# Altium PCB wtc_spi.PcbDoc (part 1 of 2)
Units mm, origin at the board's own origin, x right, y up, seen from the top; angles counter-clockwise.
Board outline 131 x 99 mm, 2 copper layers (Top Layer, Bottom Layer), stack 1.571 mm thick; 168 components, 105 nets, 503 pads, 537 vias.
Unrouted connection lines stored in the file: 1.
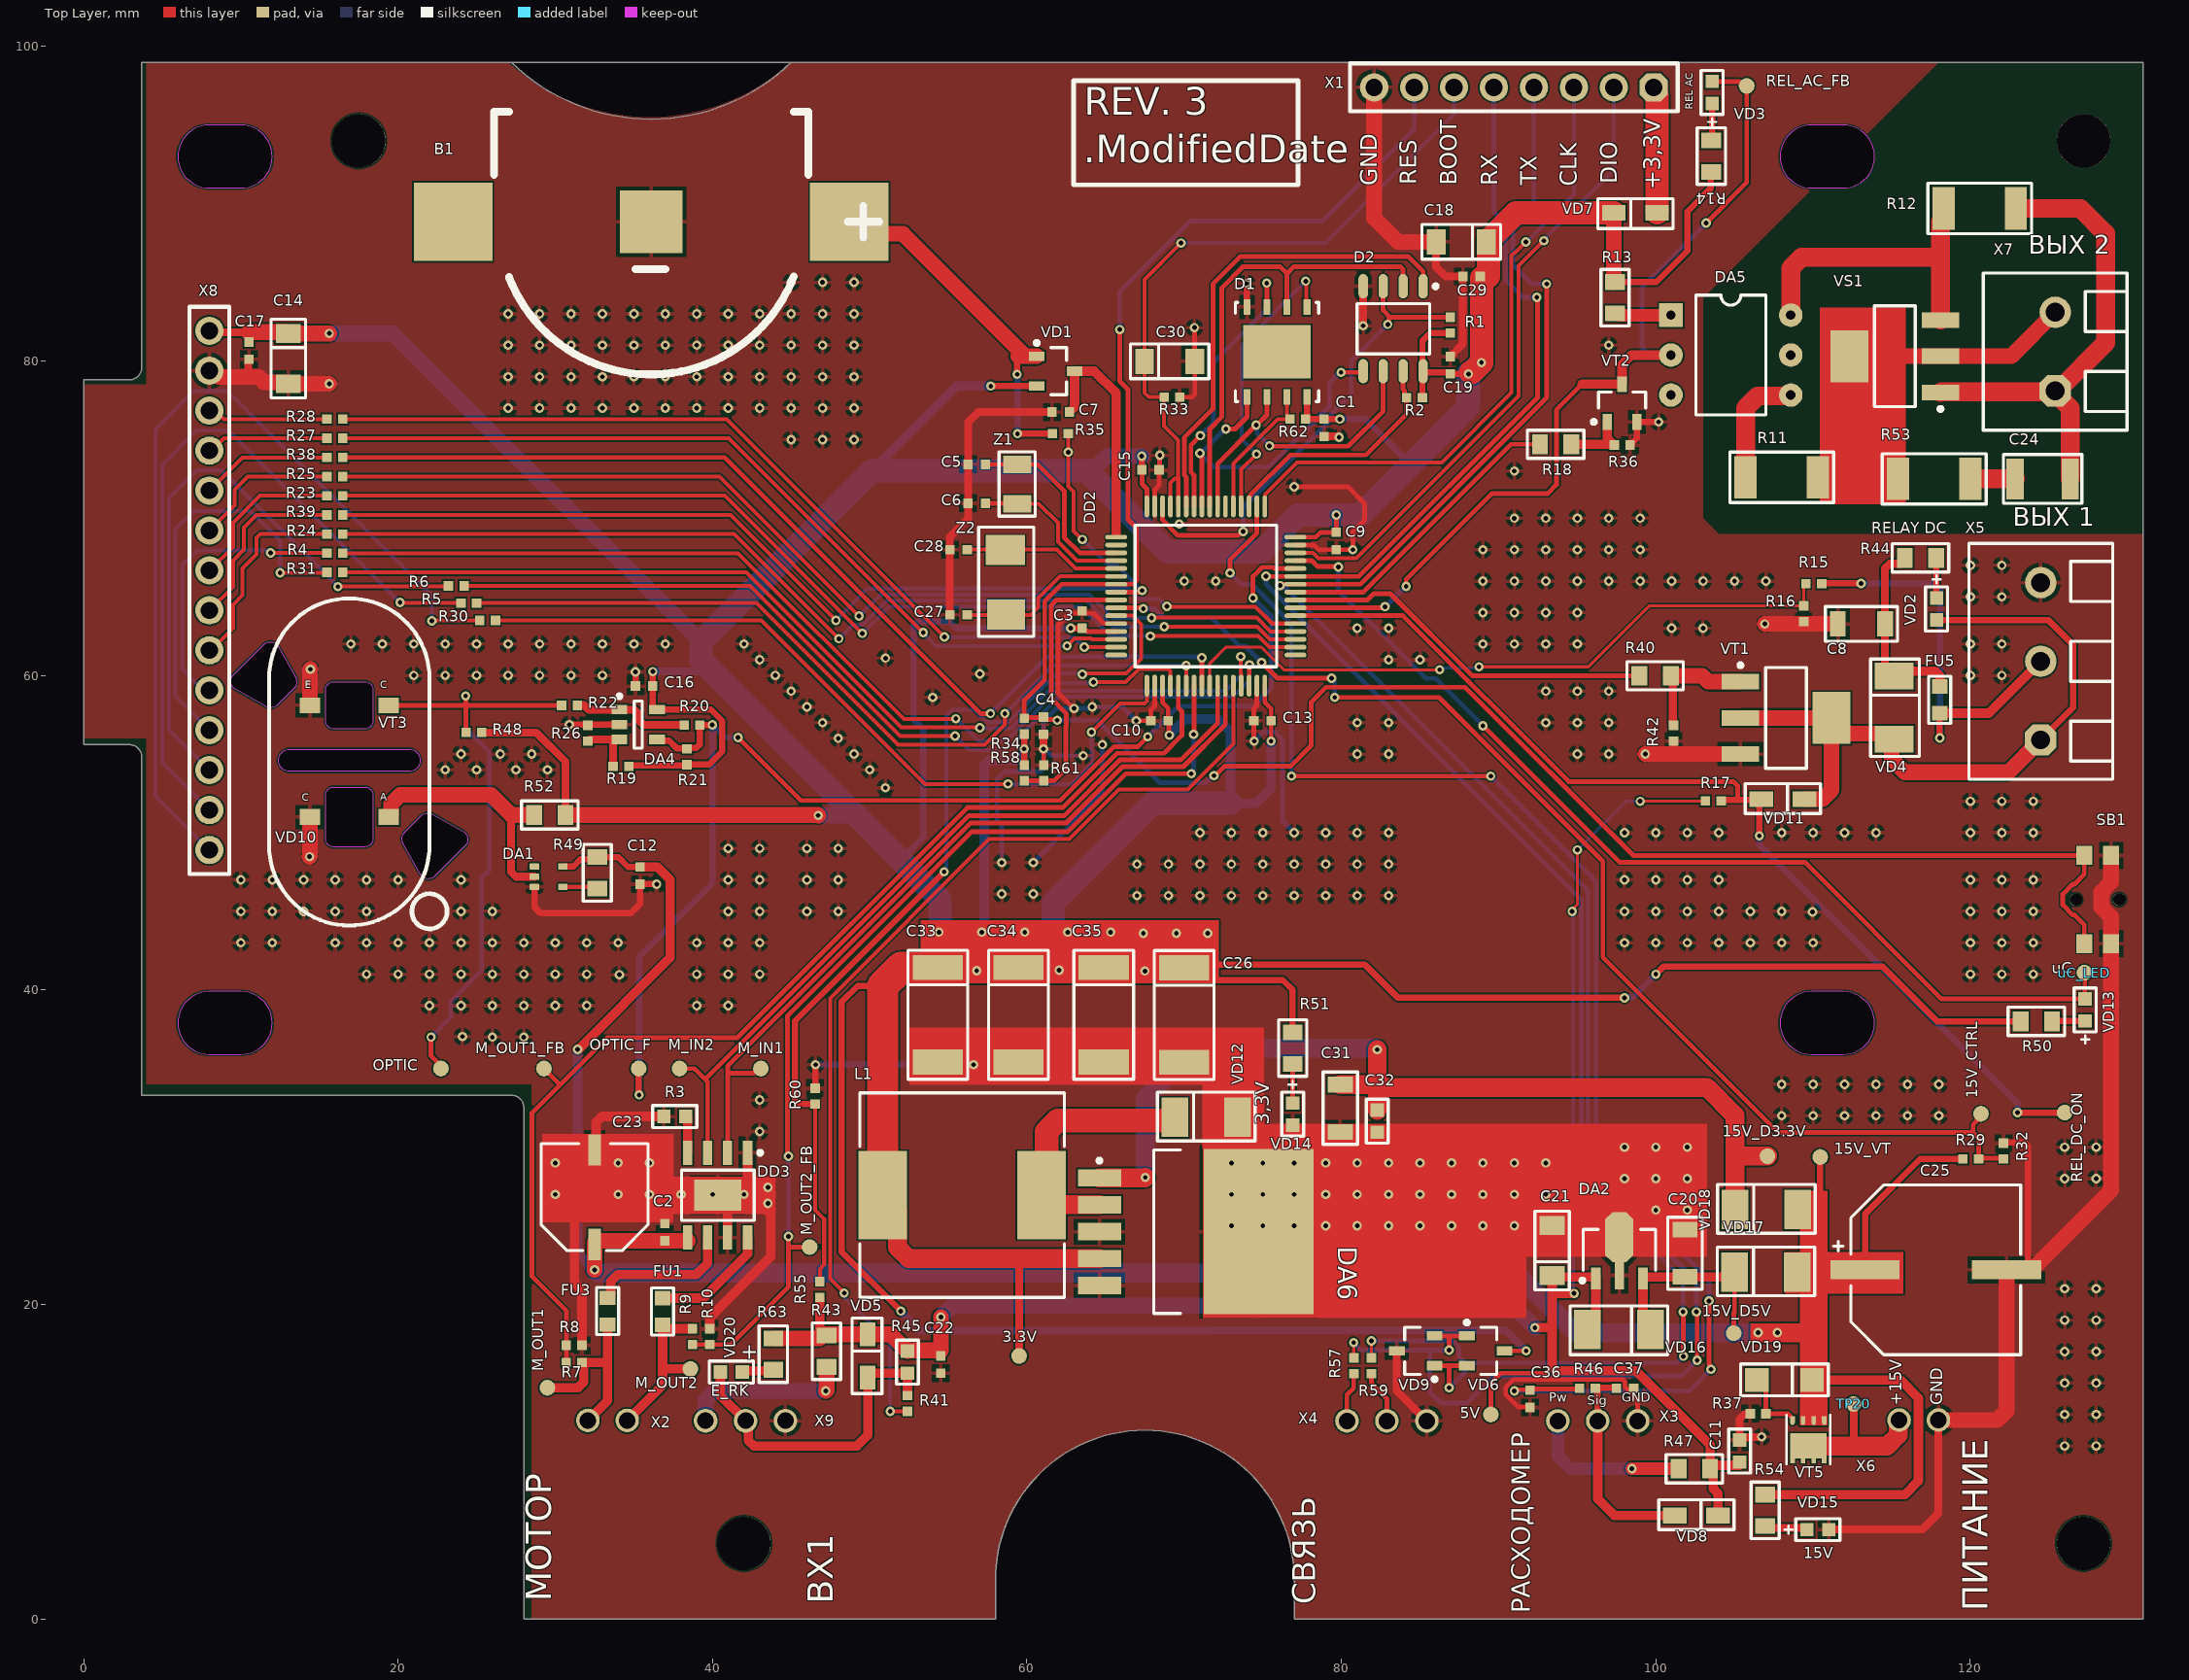
[diagram p0: Top Layer view]
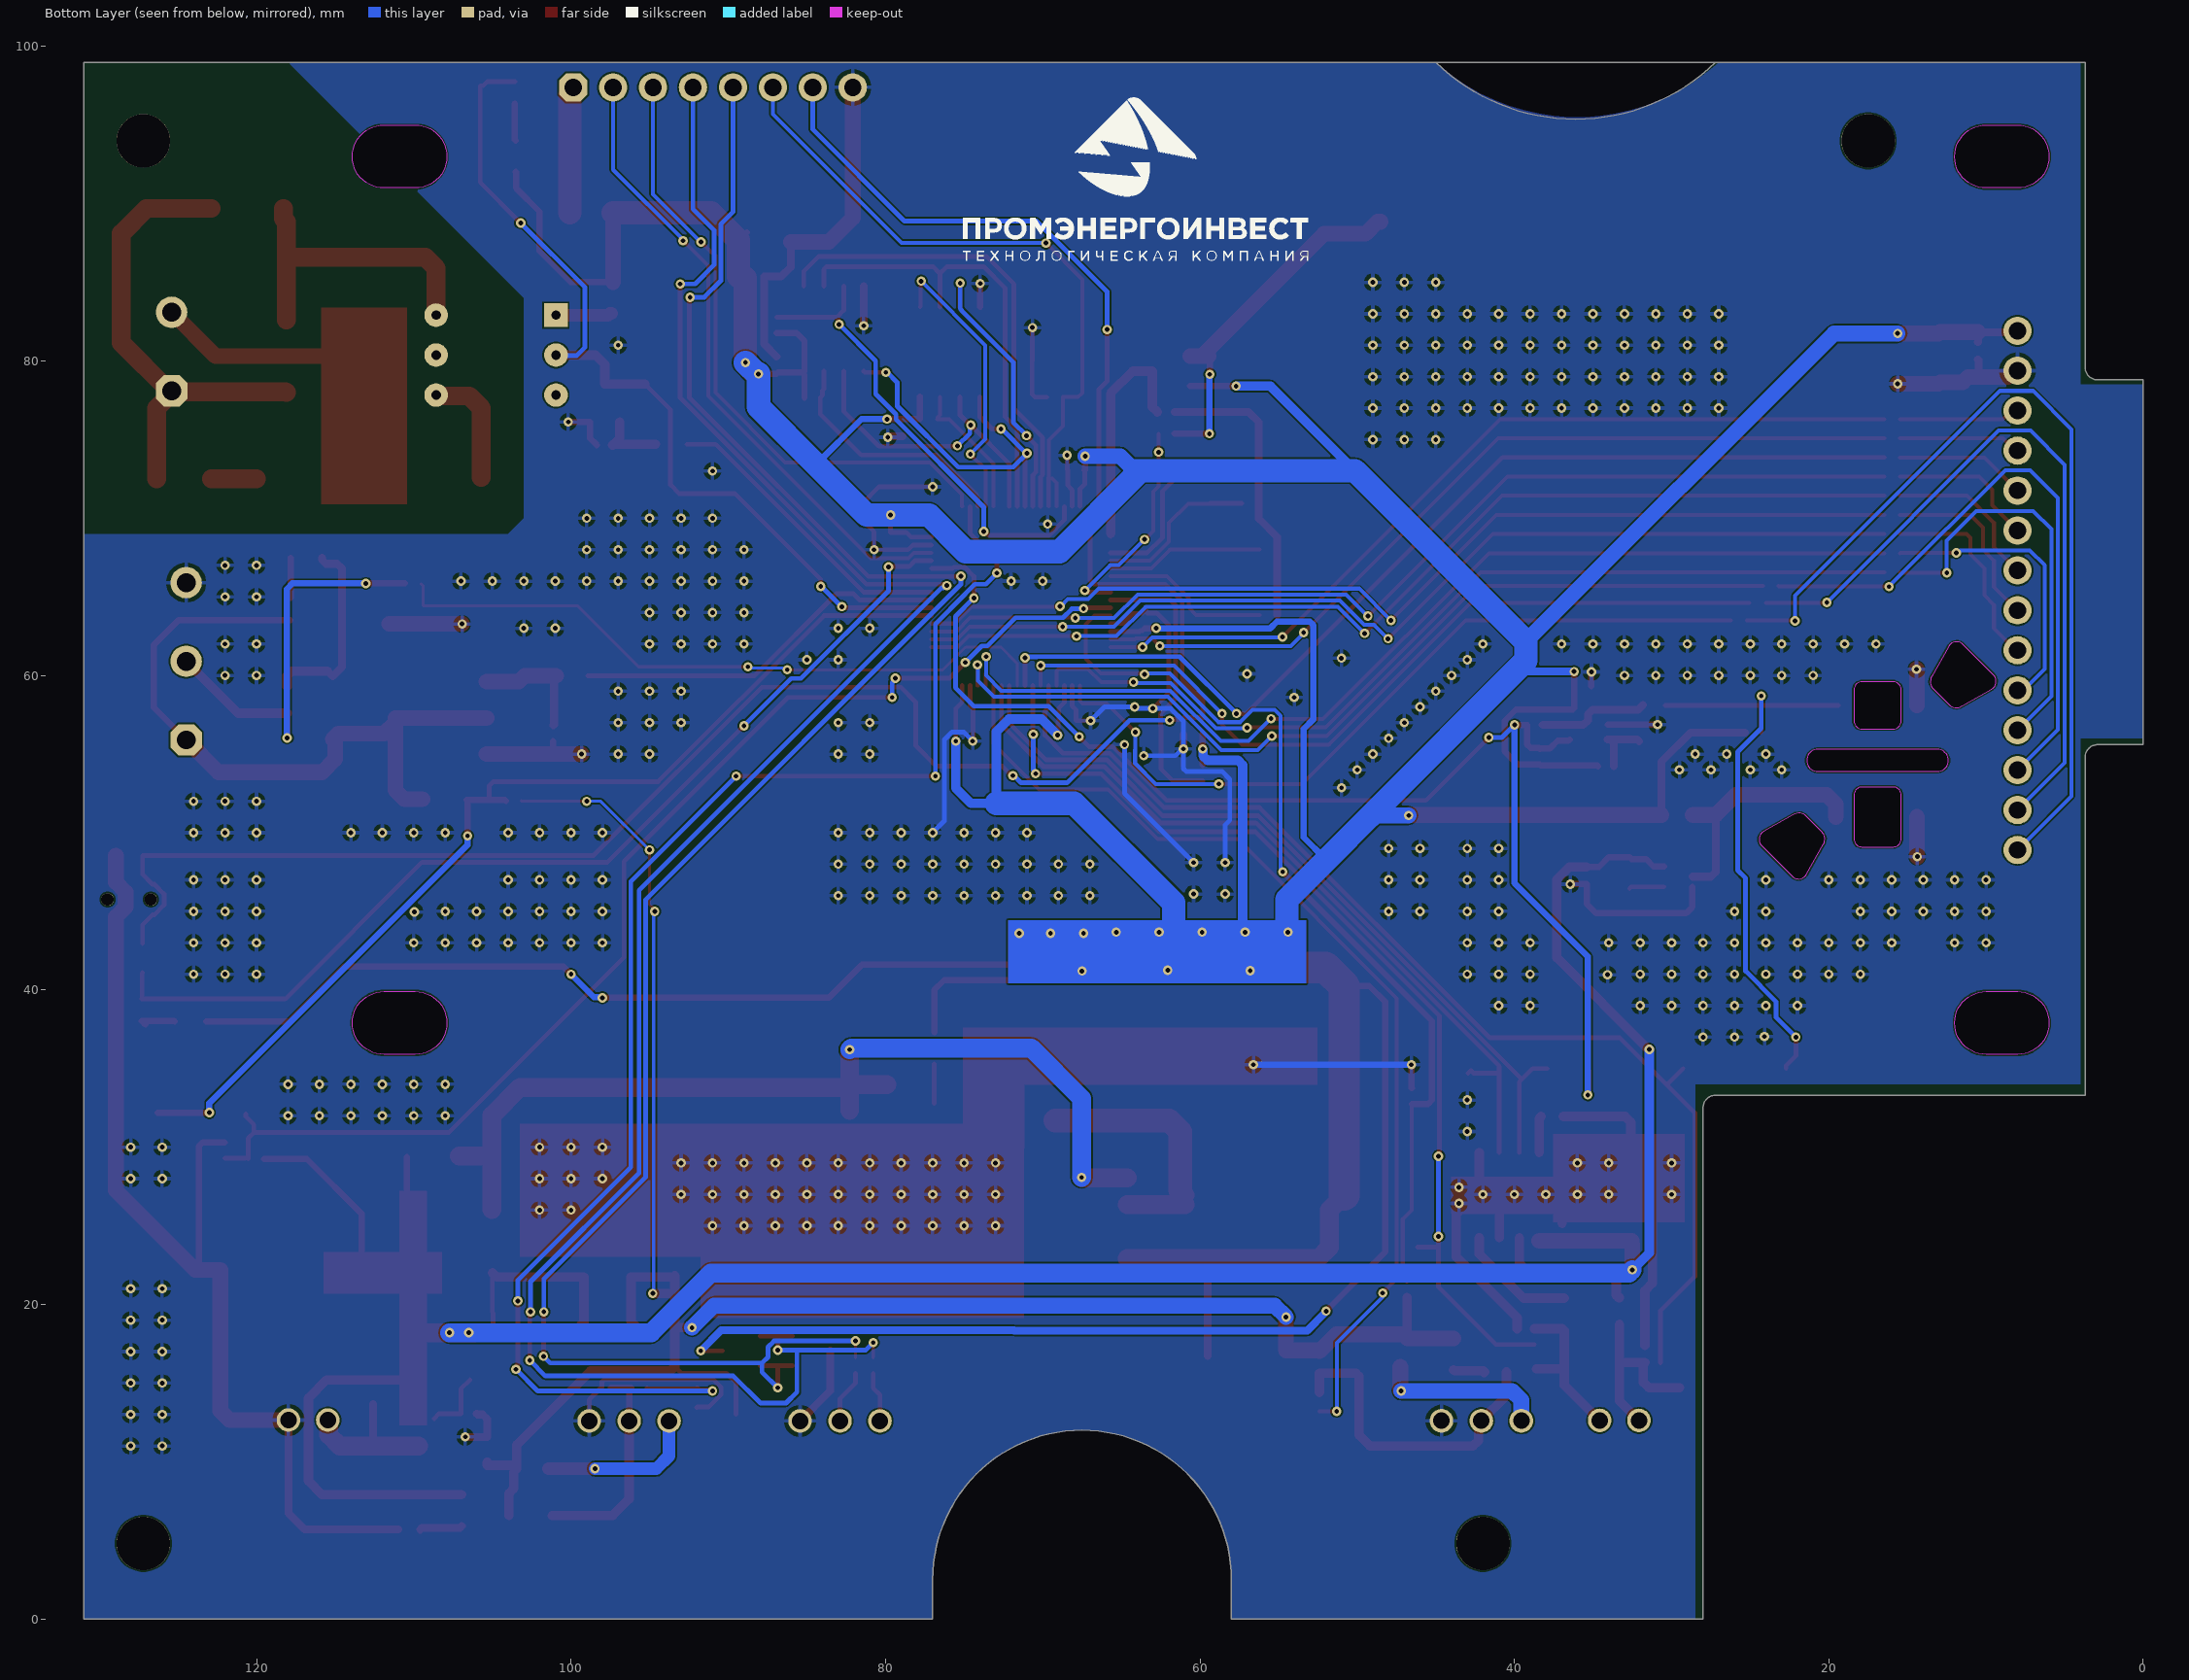
[diagram p1: Bottom Layer view, seen from below]
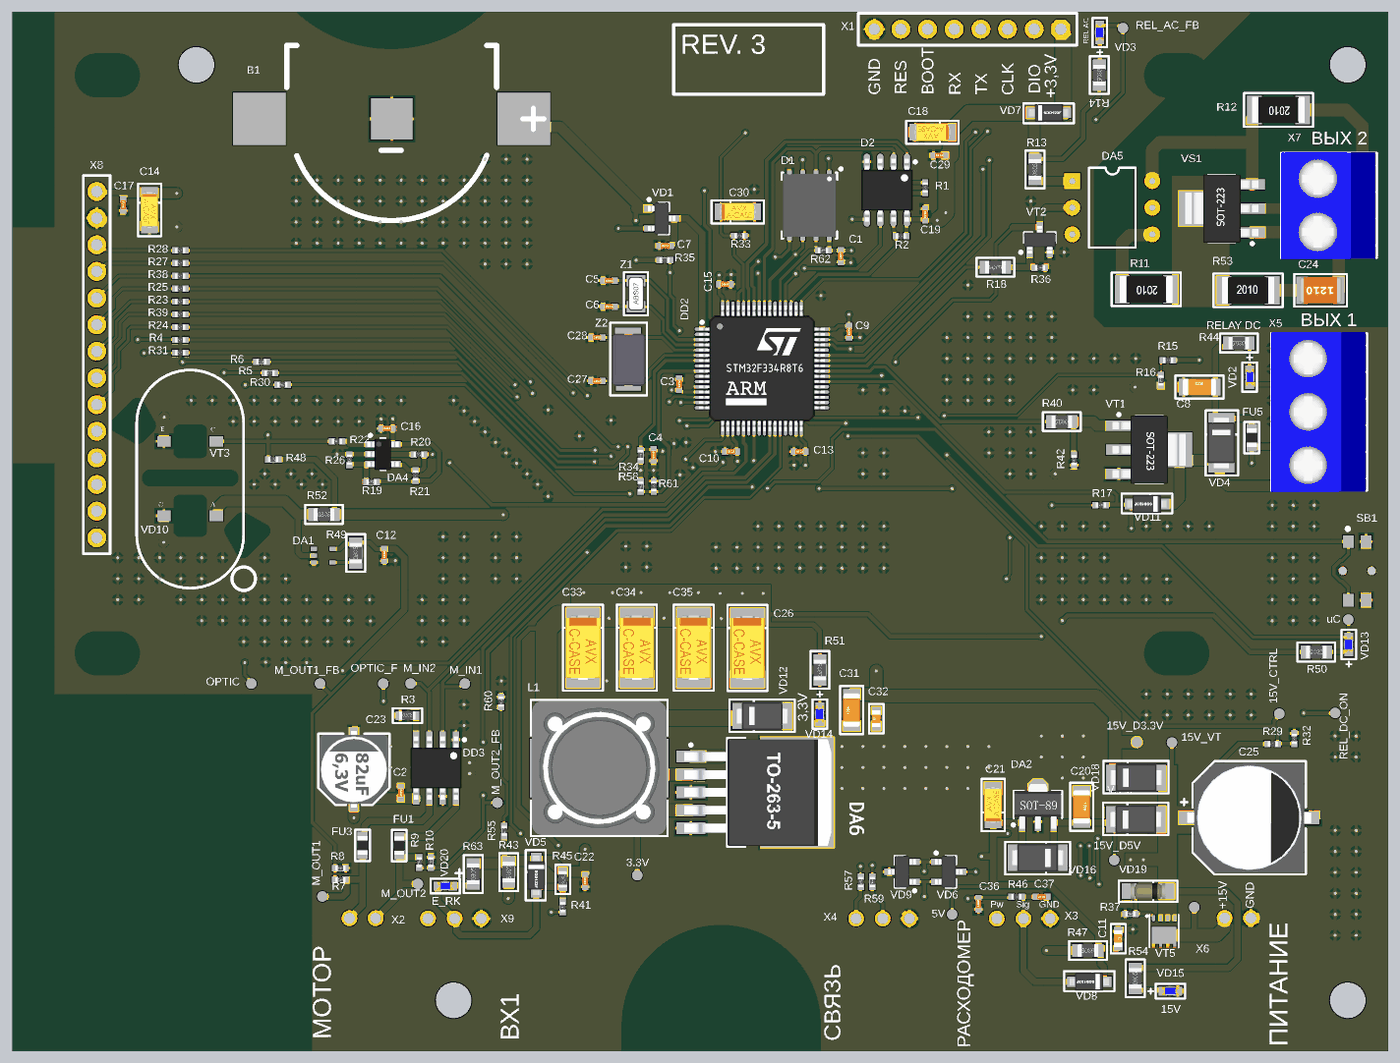
[diagram p3: 3D render of the assembled board from above, using the file's embedded part models]

## Layer stack, top to bottom
Top Solder: solder mask 0.0102, Solder Resist, Dk 3.5
Top Layer: signal copper 0.0356
Dielectric 1: dielectric 1.5, FR-4, Dk 4.8
Bottom Layer: signal copper 0.0356
Bottom Solder: solder mask 0.0102, Solder Resist, Dk 3.5

## Board outline
27.2,99 ccw(c36.1,108.12) 45,99 25.725,99 131,99 131,0 77,0 77,2.5 ccw(c67.5,2.5) 67.5,12 ccw(c67.5,2.5) 58,2.5 58,0 28,0 28,32.5 ccw(c27.2,32.5) 27.2,33.3 3.7,33.3 3.7,54.8 ccw(c2.9,54.8) 2.9,55.6 0,55.6 0,78.8 2.9,78.8 ccw(c2.9,79.6) 3.7,79.6 3.7,99
cut-out: 13.353,59.153 12.347,58.147 cw(c11.891,58.603) 11.573,58.042 9.65,59.132 cw(c9.93,59.626) 9.528,60.028 11.472,61.972 cw(c11.874,61.57) 12.368,61.85 13.458,59.927 cw(c12.897,59.609)
cut-out: 20.447,50.047 21.453,51.053 cw(c21.909,50.597) 22.227,51.158 24.15,50.068 cw(c23.87,49.574) 24.272,49.172 22.328,47.228 cw(c21.926,47.63) 21.432,47.35 20.342,49.273 cw(c20.903,49.591)
cut-out: 13.1,55.3 20.7,55.3 cw(c20.7,54.6) 21.4,54.6 cw(c20.7,54.6) 20.7,53.9 13.1,53.9 cw(c13.1,54.6) 12.4,54.6 cw(c13.1,54.6)
cut-out: 15.4,57.1 15.4,59.1 cw(c15.9,59.1) 15.9,59.6 17.9,59.6 cw(c17.9,59.1) 18.4,59.1 18.4,57.1 cw(c17.9,57.1) 17.9,56.6 15.9,56.6 cw(c15.9,57.1)
cut-out: 15.4,49.6 15.4,52.4 cw(c15.9,52.4) 15.9,52.9 17.9,52.9 cw(c17.9,52.4) 18.4,52.4 18.4,49.6 cw(c17.9,49.6) 17.9,49.1 15.9,49.1 cw(c15.9,49.6)
cut-out: 6,37.9 ccw(c8,37.9) 8,35.9 10,35.9 ccw(c10,37.9) 12,37.9 ccw(c10,37.9) 10,39.9 8,39.9 ccw(c8,37.9)
cut-out: 6,93 ccw(c8,93) 8,91 10,91 ccw(c10,93) 12,93 ccw(c10,93) 10,95 8,95 ccw(c8,93)
cut-out: 107.9,37.9 ccw(c109.9,37.9) 109.9,35.9 111.9,35.9 ccw(c111.9,37.9) 113.9,37.9 ccw(c111.9,37.9) 111.9,39.9 109.9,39.9 ccw(c109.9,37.9)
cut-out: 107.9,93 ccw(c109.9,93) 109.9,91 111.9,91 ccw(c111.9,93) 113.9,93 ccw(c111.9,93) 111.9,95 109.9,95 ccw(c109.9,93)

## Design rules (kind name [scope] priority, off if disabled: settings)
Clearance [All] p1: gap=0.1 ignorepadtopadclearanceinfootprint=FALSE
PolygonConnect [All] p1: connectstyle=Relief reliefconductorwidth=0.254 reliefentries=4 polygonreliefangle="90 Angle" airgapwidth=0.254
RoutingVias [All] p1: holewidth=0.711 width=1.27 viastyle="Through Hole" minholewidth=0.3 minwidth=0.6 maxholewidth=0.711 maxwidth=1.27
SolderMaskExpansion [All] p1: expansion=0.102 istentingtop=FALSE
Width [All] p1: maxlimit=5 minlimit=0.1 preferedwidth=0.254 minimp=50.000000 maximp=50.000000 favimp=50.000000
30 further rules are at their usual default settings.

## Classes and differential pairs
component class 4_PowerSupplie: 3.3V 5V 15V_CTRL 15V_D3.3V 15V_D5V 15V_VT B1 C20 C21 C25 C26 C31 C32 C33 C34 C35 DA2 DA6 L1 R29 R32 R37 R55 R58 R60 R61 TP20 VD12 VD16 VD17 VD18 VD19 VT5 X6
component class 3_InfoPerif: =Net_Name C11 C12 C14 C16 C17 C22 C36 C37 DA1 DA4 OPTIC OPTIC_F R19 R20 R21 R22 R26 R41 R43 R45 R46 R47 R48 R49 R50 R51 R52 R54 R57 R59 R63 uC_LED VD5 VD6 VD8 VD9 VD10 VD13 VD14 VD15 VD20 VT3 X3 X4 X8 X9
component class 2_PowerPerif: C2 C8 C23 C24 DA5 DD3 FU1 FU3 FU5 M_IN1 M_IN2 M_OUT1 M_OUT1_FB M_OUT2 M_OUT2_FB R3 R7 R8 R9 R10 R11 R12 R13 R14 R15 R16 R17 R18 R36 R40 R42 R44 R53 REL_AC_FB REL_DC_ON VD2 VD3 VD4 VD11 VS1 VT1 VT2 X2 X5 X7
component class 1_uC: C1 C3 C4 C5 C6 C7 C9 C10 C13 C15 C18 C19 C27 C28 C29 C30 D1 D2 DD2 R1 R2 R4 R5 R6 R23 R24 R25 R27 R28 R30 R31 R33 R34 R35 R38 R39 R62 SB1 VD1 VD7 X1 Z1 Z2

## Components (designator, comment, footprint, x,y, rotation, side; value= is the part's Value field where it differs from the comment)
3.3V "=value" TESTPOINT 59.5,16.725 r90 top
5V "=value" TESTPOINT 89.5,13 r90 top
15V_CTRL "=value" TESTPOINT 120.675,32.125 r90 top
15V_D3.3V "=value" TESTPOINT 107.1,29.425 r90 top
15V_D5V "=value" TESTPOINT 104.95,18.175 r90 top
15V_VT "=value" TESTPOINT 110.45,29.375 r90 top
B1 "Battery Retainer Coin, 20.0mm 1 Cell PC Pin" "BAT: CR2032_SM" 36.1,88.85 r0 top locked
C1 "0.1u, 6.3V" CH0402C 78.9,75.75 r90 top
C2 "0.1u, 50V" CH0402C 36.975,24.6 r270 top
C3 "4,7uF" CH0402C 63.5,63.55 r90 top
C4 "4,7uF" CH0402C 61.05,56.8 r90 top
C5 "10pF" CH0402C 56.8,73.425 r180 top
C6 "10pF" CH0402C 56.8,70.95 r0 top
C7 "4,7uF" CH0402C 62.15,76.75 r0 top
C8 "10u, 50V" CH1206C 113.075,63.275 r0 top
C9 "470nF" CH0402C 79.675,68.55 r270 top
C10 "4,7uF" CH0402C 68.425,57.125 r0 top
C11 "0.1u, 6.3V" CH0603C 105.325,10.675 r270 top
C12 "DNP" CH0402C 35.4,47.275 r90 top
C13 "4,7uF" CH0402C 74.975,57.125 r0 top
C14 "22u, 6.3V" TANTAL_A 13.025,80.15 r270 top
C15 "4,7uF" CH0402C 67.85,73.075 r180 top
C16 "0.1u, 6.3V" CH0402C 35.65,59.325 r0 top
C17 "0.1u, 6.3V" CH0402C 10.525,80.65 r90 top
C18 "22u, 6.3V" TANTAL_A 87.625,87.575 r180 top
C19 "0.1u, 6.3V" CH0402C 86.925,79.725 r270 top
C20 "10u, 50V" CH1206C 101.85,23.25 r270 top
C21 "22u, 6.3V" TANTAL_A 93.4,23.425 r90 top
C22 "0.1u, 6.3V" CH0402C 54.525,16.175 r90 top
C23 "100u, 25V" D6.6C6.6H6.1 32.5,26.825 r90 top value=JCK1V101M063077
C24 "0.01u" CH1210C 124.6,72.5 r180 top
C25 "330u, 25V" D10C4.4H10 117.8,22.2 r0 top
C26 "100u,6.3V" TANTAL_C 70,38.4 r270 top
C27 "8pF" CH0402C 55.65,63.85 r0 top
C28 "8pF" CH0402C 55.65,68 r0 top
C29 "0.1u, 6.3V" CH0402C 88.275,85.375 r0 top
C30 "22u, 6.3V" TANTAL_A 69.075,79.975 r0 top
C31 "10u, 50V" CH1206C 79.925,32.475 r90 top
C32 "0.1u, 25V" CH0603C 82.275,31.65 r90 top
C33 "100u,6.3V" TANTAL_C 54.325,38.425 r270 top
C34 "100u,6.3V" TANTAL_C 59.462,38.425 r270 top
C35 "100u,6.3V" TANTAL_C 64.875,38.425 r270 top
C36 "0.1u, 6.3V" CH0402C 92,14 r90 top
C37 "0.1u, 6.3V" CH0402C 98.035,14.675 r180 top
D1 "W25Q128FVPIG" "8-WSON (5X6MM)WITHOUT_HOLES" 75.9,80.575 r270 top
D2 "FM25L16B" 8-SOIC 83.29,82.05 r270 top
DA1 "DNP" SOT353 28.675,47.85 r0 top
DA2 "L78L05ABUTR" SOT89_PC12120 97.675,23.45 r90 top
DA4 "TS391RILT" SOT23-5 35.275,56.875 r0 top
DA5 "MOC3063M" DIP6 100.955,82.915 r0 top
DA6 "LM2596HVR-3.3" TO263S-5+1 69.675,24.625 r0 top
DD2 "STM32F103RGT6" 64-LQFP 71.375,65.05 r0 top
DD3 "DRV8871" 8-HSOP 40.325,26.95 r270 top
FU1 "MFU0603FF02000P500" CH0603F 36.825,19.55 r270 top
FU3 "MFU0603FF02000P500" CH0603F 33.325,19.575 r270 top
FU5 "MFU0603FF02500P500" CH0603F 118.05,58.45 r270 top
L1 "100u" "IND: B82477G4" 55.875,26.95 r0 top
M_IN1 "=value" TESTPOINT 43.075,35 r90 top
M_IN2 "=value" TESTPOINT 37.9,35 r90 top
M_OUT1 "=value" TestPoint 29.5,14.7 r90 top
M_OUT1_FB "=value" TESTPOINT 29.275,35 r90 top
M_OUT2 "=value" TESTPOINT 38.6,15.9 r90 top
M_OUT2_FB "=value" TESTPOINT 46.175,23.65 r90 top
OPTIC "=value" TESTPOINT 22.725,35 r90 top
OPTIC_F "=value" TESTPOINT 35.3,35 r0 top
R1 "10 кОм" CH0402R 86.925,82.275 r270 top
R2 "10 кОм" CH0402R 84.65,77.675 r0 top
R3 "32k" CH0603R 37.6,31.95 r0 top
R4 "330 Ом" CH0402R 15.975,67.773 r0 top
R5 "330 Ом" CH0402R 24.5,64.6 r0 top
R6 "330 Ом" CH0402R 23.7,65.7 r0 top
R7 "68k" CH0402R 31.2,16.3 r180 top
R8 "10k" CH0402R 31.2,17.4 r180 top
R9 "68k" CH0402R 38.725,17.95 r270 top
R10 "10k" CH0402R 39.825,17.95 r270 top
R11 "360" CH2010R 108,72.6 r180 top value=AC2010FK-07360RL
R12 "360" CH2010R 120.6,89.7 r180 top value=AC2010FK-07360RL
R13 "360" CH0805R 97.4,84.025 r90 top
R14 "1k" CH0805R 103.525,93.025 r270 top
R15 "68k" CH0402R 110.05,65.825 r180 top
R16 "10k" CH0402R 109.4,63.925 r90 top
R17 "30 кОм" CH0402R 103.65,52.025 r180 top value=AC0402FR-0730KL
R18 "100" CH0805R 93.625,74.7 r180 top
R19 "10k" CH0402R 34.175,54.225 r0 top
R20 "1M" CH0402R 38.7,56.85 r0 top
R21 "DNP" CH0402R 38.375,54.825 r270 top
R22 "180k" CH0402R 30.9,58.1 r0 top
R23 "330 Ом" CH0402R 15.975,71.427 r0 top
R24 "330 Ом" CH0402R 15.975,68.991 r0 top
R25 "330 Ом" CH0402R 15.975,72.645 r0 top
R26 "10k" CH0402R 32.075,56.325 r270 top
R27 "330 Ом" CH0402R 15.975,75.082 r0 top
R28 "330 Ом" CH0402R 15.975,76.3 r0 top
R29 "91k" CH0402R 120.025,29.25 r180 top
R30 "330 Ом" CH0402R 25.7,63.5 r0 top
R31 "330 Ом" CH0402R 15.975,66.555 r0 top
R32 "10k" CH0402R 122.106,29.757 r90 top
R33 "10 кОм" CH0402R 69.225,77.7 r180 top
R34 "10 кОм" CH0402R 59.825,56.775 r270 top
R35 "30 кОм" CH0402R 62.125,75.375 r0 top
R36 "4.7k" CH0402R 97.85,74.65 r180 top
R37 "100k" CH0402R 106.5,13.05 r0 top
R38 "330 Ом" CH0402R 15.975,73.864 r0 top
R39 "330 Ом" CH0402R 15.975,70.209 r0 top
R40 "100" CH0805R 99.95,59.975 r180 top
R41 "330" CH0402R 52.4,13.7 r90 top
R42 "4.7k" CH0402R 101.125,56.325 r90 top
R43 "100" CH0805R 47.25,17.025 r270 top
R44 "15k" CH0805R 116.825,67.475 r180 top
R45 "10кОм" CH0603R 52.4,16.325 r270 top
R46 "330" CH0402R 95.65,14.675 r0 top
R47 "100" CH0805R 102.45,9.55 r180 top
R48 "13k" CH0402R 24.825,56.375 r0 top
R49 "DNP" CH0805R 32.675,47.45 r90 top
R50 "3.3k" CH0805R 124.2,38 r180 top
R51 "3.3k" CH0805R 76.9,36.3 r90 top
R52 "130" CH0805R 29.65,51.125 r0 top
R53 "620" CH2010R 117.7,72.5 r0 top value=AC2010FK-07620RL
R54 "15k" CH0805R 106.95,6.9 r90 top
R55 "10k" CH0402R 46.825,20.95 r270 top
R57 "100" CH0402R 80.8,16.1 r90 top
R58 "10k" CH0402R 59.825,53.8 r90 top
R59 "100" CH0402R 81.9,16.1 r90 top
R60 "10k" CH0402R 46.525,33.25 r270 top
R61 "10k" CH0402R 61.075,53.8 r270 top
R62 "10 кОм" CH0402R 77.225,76.3 r0 top
R63 "10 кОм" CH0805R 43.867,16.845 r90 top
REL_AC_FB "=value" TestPoint 105.775,97.5 r90 top